# Altium PCB RFMC.PcbDoc (part 4 of 5) (continued)
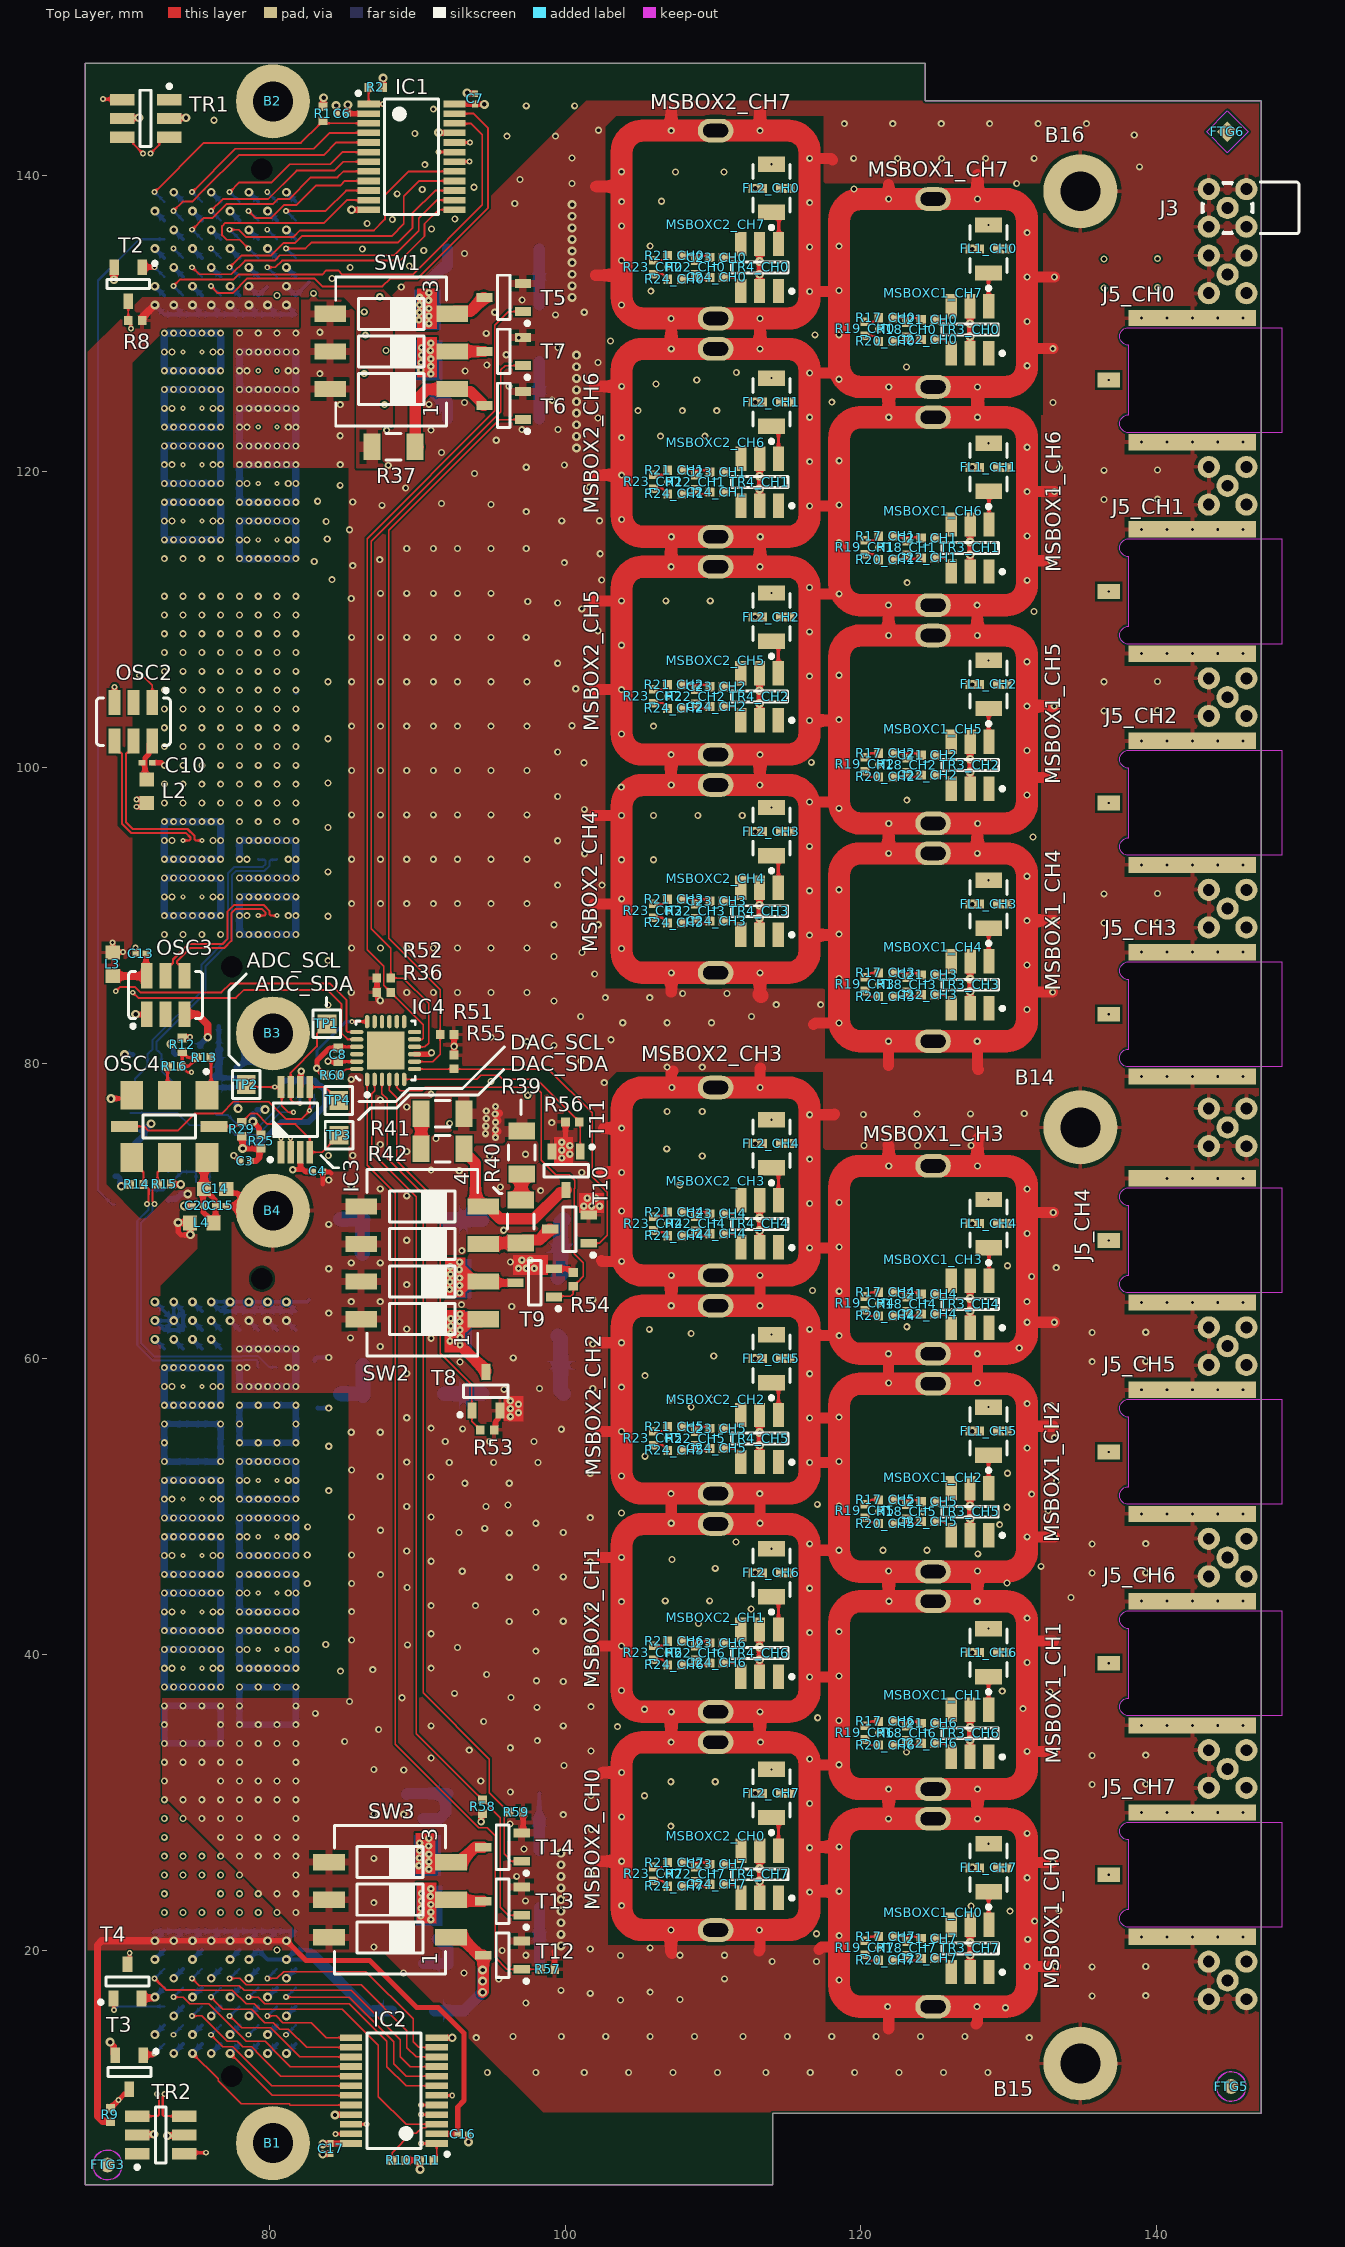
[diagram p0: Top Layer view]
## Nets (pads, with @x,y where several pads share a name; then routed paths per layer and width w, separated by ;. In a path a pad name is that pad's centre, name@x,y a point inside that pad or via, vN(x,y) a via of type N, cw(c..) or ccw(c..) an arc to the next point about the centre after c; other vN are vias at no path point) (continued)
  other v1: 94.75,11.775 98.025,11.775 101.3,11.775 104.3,11.775 107.3,11.775 110.3,11.775 113.575,11.775 116.575,11.775 119.575,11.775 122.575,11.775 125.575,11.775 128.575,11.775 94,14.125 131.375,14.125 96.475,14.2 99.75,14.2 102.75,14.2 105.75,14.2 108.75,14.2 112.025,14.2 115.025,14.2 118.025,14.2 121.025,14.2 124.025,14.2 127.025,14.2 129.775,16.15 97.35,16.475 103.75,16.675 107.775,16.7 135.624,16.949 139.249,16.969 101.7,17.125 105.75,17.2 99.725,17.325 118.525,18.025 95.521,18.087 110.775,18.1 89.075,18.5 93.175,18.5 135.624,18.915 139.249,18.935 114,19.275 117,19.275 103.75,19.675 97.35,19.7 107.775,19.7 110.775,19.7 95.745,20.025 80.532,20.046 101.7,20.125 121.205,20.18 105.75,20.2 89.1,20.225 87.075,20.25 131.275,20.775 117,21.15 131.742,22.002 72.912,22.586 74.182,22.586 75.452,22.586 76.722,22.586 77.992,22.586 79.262,22.586 80.532,22.586 81.802,22.586 130.075,22.675 133.375,22.725 127.45,23.025 103.825,23.05 101.7,23.125 89.1,23.225 87.075,23.25 97.325,23.375 72.912,23.856 76.722,23.856 77.992,23.856 79.262,23.856 80.532,23.856 81.802,23.856 116.535,23.96 96.725,25.031 72.912,25.126 74.182,25.126 75.452,25.126 76.722,25.126 77.992,25.126 81.802,25.126 101.775,25.2 106.93,25.19 132.975,25.975 89.1,26.225 87.075,26.25 72.912,26.396 74.182,26.396 75.452,26.396 76.722,26.396 77.992,26.396 79.262,26.396 80.532,26.396 81.802,26.396 97.225,26.875 72.912,27.666 76.722,27.666 77.992,27.666 79.262,27.666 80.532,27.666 81.802,27.666 131.235,27.935 101.775,28.2 107.15,28.425 96.275,28.575 72.912,28.936 74.182,28.936 75.452,28.936 76.722,28.936 77.992,28.936 81.802,28.936 121.867,28.92 127.877,28.92 103.825,29.05 99.875,29.2 89.1,29.225 87.075,29.25 116.535,29.96 72.912,30.206 74.182,30.206 75.452,30.206 76.722,30.206 77.992,30.206 79.262,30.206 80.532,30.206 81.802,30.206 105.375,30.475 101.75,30.5 96.3,30.725 135.624,31.239 139.249,31.259 107.15,31.425 110.15,31.425 72.912,31.476 76.722,31.476 77.992,31.476 79.262,31.476 80.532,31.476 81.802,31.476 94.3,31.475 89.1,32.225 87.075,32.25 99.925,32.525 72.912,32.746 74.182,32.746 75.452,32.746 76.722,32.746 77.992,32.746 81.802,32.746 90.95,33.025 135.624,33.205 139.249,33.225 123.075,33.425 101.75,33.5 93.528,33.562 96.3,33.725 77.992,34.016 79.262,34.016 80.532,34.016 81.802,34.016 85.1,34.15 98.125,34.2 121.2,34.725 87.4,34.95 103.55,35.15 90.95,35.2 99.875,35.2 72.912,35.286 94.5,35.5 118.52,35.57 117.075,35.75 83.125,36.05 105.375,36.325 130.948,36.366 98.1,36.45 101.75,36.5 77.992,36.556 85.425,36.85 88.975,37.1 96.35,37.125 92.525,37.4 132.775,37.5 129.55,37.55 103.82,37.595 99.875,38.2 98.075,38.25 101.75,38.275 94.7,38.675 84.825,38.9 87,39 73.426,39.096 76.208,39.096 90.95,39.1 106.925,40.15 98.025,40.25 101.7,40.275 78.506,40.366 81.288,40.366 92.725,40.5 89.35,40.675 83.825,40.7 85.575,41 90.95,41.425 116.53,41.505 118.52,41.57 109.025,42.125 96.225,42.25 99.875,42.275 131.23,42.48 73.426,42.906 76.208,42.906 98.025,42.9 85.575,42.925 112.575,43.1 101.7,43.275 90.95,43.325 93.95,43.325 103.82,43.595 121.892,43.625 127.864,43.625 106.775,43.65 109.775,43.65 134.2,43.88 78.506,44.176 81.288,44.176 116.53,44.505 89.325,44.55 82.575,44.825 85.575,44.825 129.875,44.855 96.225,45.25 99.875,45.275 87.525,45.425 135.624,45.529 139.249,45.549 93.05,45.65 121.875,45.675 127.875,45.675 110.15,45.85 98.025,45.9 132.175,45.98 101.7,46.275 90.95,46.325 107.225,46.45 73.426,46.716 76.208,46.716 82.575,46.75 85.575,46.75 127.9,46.83 89.3,47.025 121.495,47.07 124.47,47.07 135.624,47.495 139.249,47.515 111.55,47.625 78.506,47.986 81.288,47.986 96.225,48.25 92.825,48.275 99.875,48.275 87.525,48.425 94.575,48.55 82.6,48.65 129.375,48.805 98.025,48.9 101.7,49.275 85.575,49.325 90.95,49.325 103.82,49.595 124.175,49.675 121.2,49.7 132.65,49.75 129.875,49.975 89.3,50.025 94.65,50.025 118.52,50.07 96.15,50.125 117.05,50.175 73.426,50.526 76.208,50.526 131.536,50.866 84.025,51.1 93.225,51.6 96.225,51.6 133.225,51.75 78.506,51.796 81.288,51.796 90.95,52.025 87.505,52.05 103.82,52.095 101.7,52.275 129.9,52.275 85.575,52.5 92.175,53 95.175,53 98.175,53 89.3,53.025 105.4,53.425 84.025,54.1 72.912,54.336 91.9,54.425 94.9,54.425 97.9,54.425 106.925,54.65 133.075,54.675 85.55,55.05 87.505,55.05 99.75,55.25 93.075,55.275 90.95,55.325 77.992,55.606 89.3,56.025 118.52,56.07 108.525,56.75 132.85,56.845 131.23,56.98 107.108,57.237 109.934,57.237 95.875,57.95 98.275,58 101.875,58 103.82,58.095 73.426,58.146 76.208,58.146 105.4,58.875 116.53,59.005 89.3,59.025 78.506,59.416 81.288,59.416 92.9,59.8 135.624,59.819 139.249,59.839 96.5,60.075 110.05,60.2 121.867,60.35 127.867,60.35 130.696,60.745 87.505,60.85 101.875,61 90.95,61.4 85.5,61.425 108.521,61.718 135.624,61.785 139.249,61.805 105.695,62 116.53,62.005 89.3,62.025 123.1,62.175 84.025,63.1 96.4,63.55 93,63.675 121.205,63.73 85.55,63.875 87.505,63.875 131.225,63.875 101.875,64 90.95,64.4 118.525,64.575 116.725,64.625 89.3,65.025 131.539,65.574 84.025,66.1 133.2,66.175 129.9,66.3 85.55,66.5 87.505,66.5 96.3,66.55 101.875,67 93.025,67.325 90.95,67.4 89.3,68.025 95.85,68.7 84.025,69.1 106.93,69.155 103.825,70 116.535,70.51 118.525,70.575 89.3,71.025 98.35,71.375 131.235,71.485 87.505,71.5 95.625,71.625 85.55,71.675 107.75,71.75 84.025,72.1 101.125,72.6 92.85,72.725 90.95,72.775 121.88,73.05 127.88,73.05 116.535,73.51 94.9,73.725 109.275,73.725 84,73.75 85.65,73.75 97.325,73.841 89.3,74.025 106.875,74.2 120.2,74.425 123.825,74.425 127.45,74.425 87.505,74.5 91.275,74.9 92.2,75.925 99.1,75.975 120.16,76.53 123.785,76.55 127.41,76.57 131.035,76.59 106.9,76.725 109.275,76.725 89.3,77.025 87.505,77.5 97.476,77.825 90.95,77.9 102.65,78.675 95,78.75 85.55,78.9 106.9,79.725 109.275,79.725 101.075,80.15 99.25,81.2 97.425,81.45 121.864,81.475 127.863,81.475 103.1,81.575 95,81.75 103.9,82.725 106.9,82.725 109.9,82.725 101.055,83.15 112.6,83.15 83.975,83.925 114.275,83.95 117.275,83.95 99.25,84.2 102.725,84.425 105.725,84.425 107.95,84.7 110.95,84.7 85.55,84.775 89.3,84.775 91.1,84.775 92.725,84.775 95,84.775 97.425,84.775 121.205,85.315 118.515,85.715 102,86.025 131.225,86.625 83.975,86.925 99.25,87.2 101.15,87.475 103.815,87.74 85.575,87.775 87.525,87.775 89.3,87.775 91.1,87.775 92.725,87.775 95,87.775 97.425,87.775 72.912,88.696 74.182,88.696 75.452,88.696 76.722,88.696 99.25,89.35 102.25,89.35 136.425,89.474 140.05,89.494 83.975,89.925 78.506,89.966 81.288,89.966 106.92,90.295 85.575,90.775 87.525,90.775 89.3,90.775 91.1,90.775 92.725,90.775 95,90.775 97.425,90.775 103.825,91.1 73.426,91.236 76.208,91.236 136.425,91.44 140.05,91.46 116.525,91.65 118.515,91.715 99.5,92.025 102.5,92.025 131.225,92.625 83.975,92.925 103.815,93.74 105.975,93.74 78.506,93.776 81.288,93.776 85.575,93.775 87.525,93.775 89.3,93.775 91.1,93.775 92.725,93.775 95,93.775 97.425,93.775 101.325,94.15 121.87,94.175 127.87,94.175 116.525,94.65 99.5,95.025 73.426,95.046 76.208,95.046 131.625,95.275 83.975,95.925 121.876,96.2 127.89,96.2 77.992,96.316 79.262,96.316 80.532,96.316 81.802,96.316 105.975,96.74 108.975,96.74 111.975,96.74 85.575,96.775 87.525,96.775 89.3,96.775 91.1,96.775 92.725,96.775 95,96.775 97.425,96.775 101.305,97.15 72.912,97.586 74.182,97.586 75.452,97.586 76.722,97.586 77.992,97.586 79.262,97.586 80.532,97.586 81.802,97.586 123.1,97.775 99.5,98.025 103.8,98.65 107.177,98.8 113.164,98.8 72.912,98.856 74.182,98.856 75.452,98.856 76.722,98.856 77.992,98.856 79.262,98.856 80.532,98.856 81.802,98.856 83.975,98.925 85.575,99.775 87.525,99.775 89.3,99.775 91.1,99.775 92.725,99.775 95,99.775 97.425,99.775 74.182,100.126 75.452,100.126 76.722,100.126 77.992,100.126 79.262,100.126 80.532,100.126 81.802,100.126 121.205,100.165 118.515,100.215 101.275,100.3 116.65,100.325 107.17,100.845 113.17,100.845 99.5,101.025 131.225,101.125 72.912,101.396 74.182,101.396 75.452,101.396 76.722,101.396 77.992,101.396 79.262,101.396 80.532,101.396 81.802,101.396 83.975,101.925 103.815,102.24 72.912,102.666 74.182,102.666 75.452,102.666 76.722,102.666 77.992,102.666 79.262,102.666 80.532,102.666 81.802,102.666 85.575,102.775 87.525,102.775 89.3,102.775 91.1,102.775 92.725,102.775 95,102.775 97.425,102.775 105.975,102.775 100.475,102.8 136.425,103.809 140.05,103.829 72.912,103.936 74.182,103.936 75.452,103.936 76.722,103.936 77.992,103.936 79.262,103.936 80.532,103.936 81.802,103.936 106.92,104.795 72.912,105.206 74.182,105.206 75.452,105.206 76.722,105.206 77.992,105.206 79.262,105.206 80.532,105.206 100.725,105.3 83.975,105.775 85.575,105.775 87.525,105.775 89.3,105.775 91.1,105.775 92.725,105.775 95,105.775 97.425,105.775 136.425,105.775 140.05,105.795 116.525,106.15 118.515,106.215 72.912,106.476 74.182,106.476 75.452,106.476 76.722,106.476 77.992,106.476 79.262,106.476 80.532,106.476 81.802,106.476 99.5,107.025 131.225,107.125 72.912,107.746 74.182,107.746 75.452,107.746 76.722,107.746 77.992,107.746 79.262,107.746 80.532,107.746 81.802,107.746 103.815,108.24 85.575,108.775 87.525,108.775 89.3,108.775 91.1,108.775 92.725,108.775 95,108.775 97.375,108.775 121.87,108.9 127.87,108.9 72.912,109.016 74.182,109.016 75.452,109.016 76.722,109.016 77.992,109.016 79.262,109.016 80.532,109.016 81.802,109.016 116.525,109.15 102.225,109.225 72.912,110.286 74.182,110.286 75.452,110.286 76.722,110.286 77.992,110.286 79.262,110.286 80.532,110.286 81.802,110.286 131.7,110.525 101.125,110.7 121.864,110.95 127.857,110.95 99.5,111.1 97.475,111.2 106.815,111.24 109.815,111.24 85.55,111.4 72.912,111.556 74.182,111.556 75.452,111.556 76.722,111.556 77.992,111.556 79.262,111.556 80.532,111.556 81.802,111.556 87.525,111.75 89.3,111.75 91.1,111.75 92.725,111.75 95,111.75 123.125,112.475 102.475,112.65 84.25,112.675 85.65,113.625 99.95,113.825 83.05,113.9 87.475,114.025 72.912,114.096 74.182,114.096 75.452,114.096 76.722,114.096 102.375,114.425 89.3,114.775 91.1,114.775 92.725,114.775 95,114.775 97.375,114.775 121.205,114.84 118.525,115.175 78.506,115.366 81.288,115.366 83.925,115.425 107.186,115.575 113.191,115.575 131.235,115.625 85.425,116.05 83.85,116.6 73.426,116.636 76.208,116.636 99.775,116.65 102.332,116.654 103.825,116.74 97.375,117.275 87.625,117.7 95,117.75 91.65,117.825 85.65,117.925 83.275,117.975 136.425,118.099 140.05,118.119 89.225,118.875 101.65,118.925 84.8,119.05 78.506,119.176 81.288,119.176 106.93,119.275 93.875,119.85 136.425,120.065 140.05,120.085 133.425,120.225 97.375,120.275 88.05,120.4 99.95,120.425 73.426,120.446 76.208,120.446 84.802,120.446 116.535,120.65 118.525,120.715 91.65,121.275 131.235,121.625 95.35,122.1 103.825,122.275 106.45,122.375 109.45,122.375 84.8,122.4 87.939,122.78 90.939,122.78 97.081,122.812 99.525,122.825 78.506,122.986 81.288,122.986 102.225,123.6 116.535,123.65 104.925,124.1 107.925,124.1 110.25,124.1 73.426,124.256 76.208,124.256 84.802,124.506 87.802,124.506 90.8,124.525 93.2,124.65 132.975,124.65 118.03,124.675 99.125,124.8 96.2,125.75 106.15,125.9 108.9,126.175 83.425,126.6 86.425,126.6 111.575,126.675 93.25,126.775 78.506,126.796 81.288,126.796 123.075,127.05 94.712,127.179 102.225,127.35 96.025,127.875 73.426,128.066 76.208,128.066 87.9,128.159 107.18,128.275 113.18,128.275 99.512,128.374 103.075,128.807 96.875,129.025 86.5,129.2 118.52,129.22 116.9,129.225 77.992,129.336 79.262,129.336 80.532,129.336 81.802,129.336 94.675,129.325 83.425,129.4 121.2,129.6 131.23,130.13 107.168,130.325 113.182,130.325 99.35,130.575 95.25,130.75 101.3,130.75 86.425,130.775 103.82,131.245 97.1,131.575 87.475,131.8 80.532,131.876 83,132.025 105.8,132.175 88.925,132.45 84.25,133.025 85.475,133.775 106.925,133.8 89.475,133.875 103.82,134.245 93.2,134.725 90.45,134.925 86.3,135.025 105.75,135.225 118.52,135.22 131.23,136.13 90.975,136.375 103.825,136.575 86.625,136.75 88.325,137.025 92.55,137.05 96.6,138.1 116.53,138.155 103.825,138.225 106.525,138.25 88.65,138.75 90.35,139.05 119.525,139.075 93.85,139.2 100.475,139.456 130.525,139.45 96.95,139.725 103.82,140.245 107.468,140.23 110.743,140.23 138.825,140.575 90.525,140.725 119.505,141.155 122.48,141.155 125.455,141.155 128.43,141.155 131.705,141.155 100.475,141.175 96.075,142.65 99.35,142.65 138.475,142.725 89.85,142.825 102.257,143.05 118.875,143.5 122.15,143.5 125.425,143.5 128.7,143.5 131.975,143.5 135.25,143.5 76.275,143.725 91.1,144.475 97.375,144.7 100.65,144.7
  other v2: 83.625,6.25 93.475,7.075 73.125,7.5 72.225,7.6 92.375,14.125 127.375,19.7 99.725,20.325 127.375,20.55 99.725,21.109 99.725,21.894 99.725,22.678 99.725,23.463 99.725,24.247 113.15,24.71 99.725,25.031 113.15,25.56 127.525,25.605 129.735,25.605 99.725,25.816 99.725,26.6 112.845,30.635 115.055,30.635 127.37,34.245 127.37,35.095 113.145,39.67 127.52,40.15 129.73,40.15 113.145,40.52 112.845,45.55 115.055,45.55 127.37,49.22 127.37,50.07 113.145,54.17 113.145,55.02 127.52,55.125 129.73,55.125 112.845,60.025 115.055,60.025 127.375,63.25 127.375,64.1 113.15,68.675 127.525,69.155 129.735,69.155 113.15,69.525 112.845,74.55 115.055,74.55 127.375,84.835 127.375,85.685 113.14,89.815 113.14,90.665 127.525,90.74 129.735,90.74 112.845,95.65 115.055,95.65 127.375,99.685 127.375,100.535 113.14,104.315 113.14,105.165 127.525,105.59 129.735,105.59 112.845,110.15 115.055,110.15 127.375,114.36 127.375,115.21 113.15,118.815 113.15,119.665 127.525,120.265 129.735,120.265 100.775,121.575 100.775,122.359 100.775,123.144 100.775,123.928 112.845,124.675 115.055,124.675 100.775,124.712 100.775,125.497 100.775,126.281 100.775,127.066 100.775,127.85 127.37,129.12 127.37,129.97 100.475,131.75 100.475,132.534 100.475,133.319 113.145,133.32 100.475,134.103 113.145,134.17 100.475,134.888 127.52,135.025 129.73,135.025 100.475,135.672 100.475,136.456 100.475,137.241 100.475,138.025 112.845,139.125 115.055,139.125 91.45,142.9 71.2,143.9 74.38,143.9 93.375,145.575
  other v3: 138.97,20.941 140.683,20.941 142.4,20.941 144.117,20.941 145.835,20.941 138.97,29.341 140.683,29.341 142.4,29.341 144.117,29.341 145.835,29.341 138.97,35.231 140.683,35.231 142.4,35.231 144.117,35.231 145.835,35.231 138.97,43.631 140.683,43.631 142.4,43.631 144.117,43.631 145.835,43.631 138.97,49.521 140.683,49.521 142.4,49.521 144.117,49.521 145.835,49.521 96.3,56.108 96.85,56.366 96.3,56.642 96.85,56.941 96.3,57.175 138.97,57.921 140.683,57.921 142.4,57.921 144.117,57.921 145.835,57.921 138.97,63.811 140.683,63.811 142.4,63.811 144.117,63.811 145.835,63.811 96.85,66.125 97.383,66.125 97.917,66.125 97.084,66.675 97.659,66.675 101.266,70.325 101.8,70.325 102.333,70.325 101.5,70.875 102.075,70.875 140.683,72.211 142.4,72.211 144.117,72.211 145.835,72.211 99.775,73.583 100.325,73.841 99.775,74.117 100.325,74.416 99.775,74.65 138.97,79.095 140.683,79.095 142.4,79.095 144.117,79.095 145.835,79.095 138.97,87.495 140.683,87.495 142.4,87.495 144.117,87.495 145.835,87.495 138.97,93.385 140.683,93.385 142.4,93.385 144.117,93.385 145.835,93.385 138.97,101.785 140.683,101.785 142.4,101.785 144.117,101.785 145.835,101.785 138.97,107.675 140.683,107.675 142.4,107.675 144.117,107.675 145.835,107.675 138.97,116.075 140.683,116.075 142.4,116.075 144.117,116.075 145.835,116.075 138.97,121.965 140.683,121.965 142.4,121.965 144.117,121.965 145.835,121.965 138.97,130.365 140.683,130.365 142.4,130.365 144.117,130.365 145.835,130.365
  other v6: 87.515,84.225
NetC1_2: C1.2 C2.2 C5.2 L1.2 OSC1.6 | length 10
  Bottom Layer w0.3: C5.2@76.6,82.475 76.6,80.95 C1.2@76.65,80.9
  Bottom Layer w0.35: OSC1.6@76.015,78.725 76.39,78.35 78.825,78.35 L1.2@78.9,78.425 78.875,78.425 78.575,78.725 78.575,78.75 78.325,79 76.29,79 OSC1.6@76.015,78.725
  Bottom Layer w0.5: OSC1.6@76.29,79 76.6,79.31 C1.2@76.6,80.875 76.625,80.875 C1.2@76.65,80.9
NetC3_2: C3.2 R25.2 R26.2 R27.2 R28.2 R29.2 | length 14.6
  Top Layer w0.4: R29.2@78.205,75.075 v2(78.205,74.225) 79.34,74.225 79.56,74.225 79.425,74.225 79.34,74.14 79.34,73.609 79.106,73.375 C3.2@78.725,73.375
  Bottom Layer w0.4: v2(78.205,74.225) 78.705,74.725 79.55,74.725 80.85,76.025 82.675,76.025 83.775,77.125 83.775,78.174 83.484,78.465 83.4,78.465 83.16,78.705 83.16,78.725 83.07,78.815 R28.2@83.05,78.815 R27.2@82.075,78.815 81.05,78.815 R26.2@81.025,78.79
NetC10_2: C10.2 L2.2 OSC2.6 | length 3.9
  Top Layer w0.35: C10.2@71.425,100.3 71.45,100.275 71.45,100.22 71.6,100.07 ; L2.2@71.725,99.175 L2.2@71.616,99.284 ; OSC2.6@72.095,101.775 71.87,101.55 71.87,100.884 71.6,100.614 71.6,100.07 ; 71.6,99.986 71.6,100.07 ; 71.6,99.986 71.6,99.3 L2.2@71.616,99.284 ; 71.6,99.986 71.616,99.97 L2.2@71.616,99.284
NetC13_2: C13.2 L3.2 OSC3.6 | length 3.8
  Top Layer w0.35: C13.2@71.675,87.4 71.675,85.955 OSC3.6@71.73,85.9
  Top Layer w0.5: L3.2@69.425,85.875 71.705,85.875 OSC3.6@71.73,85.9
NetC14_2: C14.2 C15.2 C20.2 L4.2 OSC4.6 | length 7.9
  Top Layer w0.35: C20.2@75.525,70.35 75.525,71.425 C14.2@75.6,71.5 76.375,70.725 C15.2@76.375,70.35 76.375,69.1 76.275,69 76.25,69.025 L4.2@76.25,69.2 76.25,69.225 75.95,69.525 75.925,69.525 75.546,69.904 75.546,70.329 C20.2@75.525,70.35
  Top Layer w0.5: C14.2@75.6,71.5 75.6,73.435 OSC4.6@75.79,73.625
NetC21_CH0_1: C21_CH0.1 R17_CH0.2 R18_CH0.2 | length 1.9
  Top Layer w0.14: R17_CH0.2@122.145,130.375 C21_CH0.1@124.075,130.375
NetC21_CH0_2: C21_CH0.2 TR3_CH0.4 | length 1.8
  Top Layer w0.14: C21_CH0.2@124.97,130.245 125.63,130.245 126.105,130.72 TR3_CH0.4@126.105,131.165
NetC21_CH1_1: C21_CH1.1 R17_CH1.2 R18_CH1.2 | length 1.9
  Top Layer w0.14: R17_CH1.2@122.165,115.54 C21_CH1.1@124.095,115.54
NetC21_CH1_2: C21_CH1.2 TR3_CH1.4 | length 1.8
  Top Layer w0.14: C21_CH1.2@124.975,115.485 125.635,115.485 126.11,115.96 TR3_CH1.4@126.11,116.405
NetC21_CH2_1: C21_CH2.1 R17_CH2.2 R18_CH2.2 | length 1.9
  Top Layer w0.14: R17_CH2.2@122.15,100.94 C21_CH2.1@124.08,100.94
NetC21_CH2_2: C21_CH2.2 TR3_CH2.4 | length 1.8
  Top Layer w0.14: C21_CH2.2@124.975,100.81 125.635,100.81 126.11,101.285 TR3_CH2.4@126.11,101.73
NetC21_CH3_1: C21_CH3.1 R17_CH3.2 R18_CH3.2 | length 1.9
  Top Layer w0.14: R17_CH3.2@122.15,86.09 C21_CH3.1@124.08,86.09
NetC21_CH3_2: C21_CH3.2 TR3_CH3.4 | length 1.8
  Top Layer w0.14: C21_CH3.2@124.975,85.96 125.635,85.96 126.11,86.435 TR3_CH3.4@126.11,86.88
NetC21_CH4_1: C21_CH4.1 R17_CH4.2 R18_CH4.2 | length 1.9
  Top Layer w0.14: R17_CH4.2@122.15,64.505 C21_CH4.1@124.08,64.505
NetC21_CH4_2: C21_CH4.2 TR3_CH4.4 | length 1.8
  Top Layer w0.14: C21_CH4.2@124.975,64.375 125.635,64.375 126.11,64.85 TR3_CH4.4@126.11,65.295
NetC21_CH5_1: C21_CH5.1 R17_CH5.2 R18_CH5.2 | length 1.9
  Top Layer w0.14: R17_CH5.2@122.145,50.475 C21_CH5.1@124.075,50.475
NetC21_CH5_2: C21_CH5.2 TR3_CH5.4 | length 1.8
  Top Layer w0.14: C21_CH5.2@124.97,50.345 125.63,50.345 126.105,50.82 TR3_CH5.4@126.105,51.265
NetC21_CH6_1: C21_CH6.1 R17_CH6.2 R18_CH6.2 | length 1.9
  Top Layer w0.14: R17_CH6.2@122.145,35.5 C21_CH6.1@124.075,35.5
NetC21_CH6_2: C21_CH6.2 TR3_CH6.4 | length 1.8
  Top Layer w0.14: C21_CH6.2@124.97,35.37 125.63,35.37 126.105,35.845 TR3_CH6.4@126.105,36.29
NetC21_CH7_1: C21_CH7.1 R17_CH7.2 R18_CH7.2 | length 1.9
  Top Layer w0.14: R17_CH7.2@122.15,20.955 C21_CH7.1@124.08,20.955
NetC21_CH7_2: C21_CH7.2 TR3_CH7.4 | length 1.8
  Top Layer w0.14: C21_CH7.2@124.975,20.825 125.635,20.825 126.11,21.3 TR3_CH7.4@126.11,21.745
NetC22_CH0_1: C22_CH0.1 R18_CH0.1 R20_CH0.2 | length 1.9
  Top Layer w0.14: R20_CH0.2@122.145,128.775 C22_CH0.1@124.075,128.775